# Altium PCB InsaneKeyboard.PcbDoc (part 3 of 3)
Units mil, origin at the board's own origin, x right, y up, seen from the top; angles counter-clockwise.
Board outline 7442.83 x 6333.68 mil, 4 copper layers (Top Layer, Int1 (GND), Int2 (GND), Bottom Layer), stack 60.6 mil thick; 241 components, 175 nets, 846 pads, 597 vias.
Unrouted connection lines stored in the file: 4.
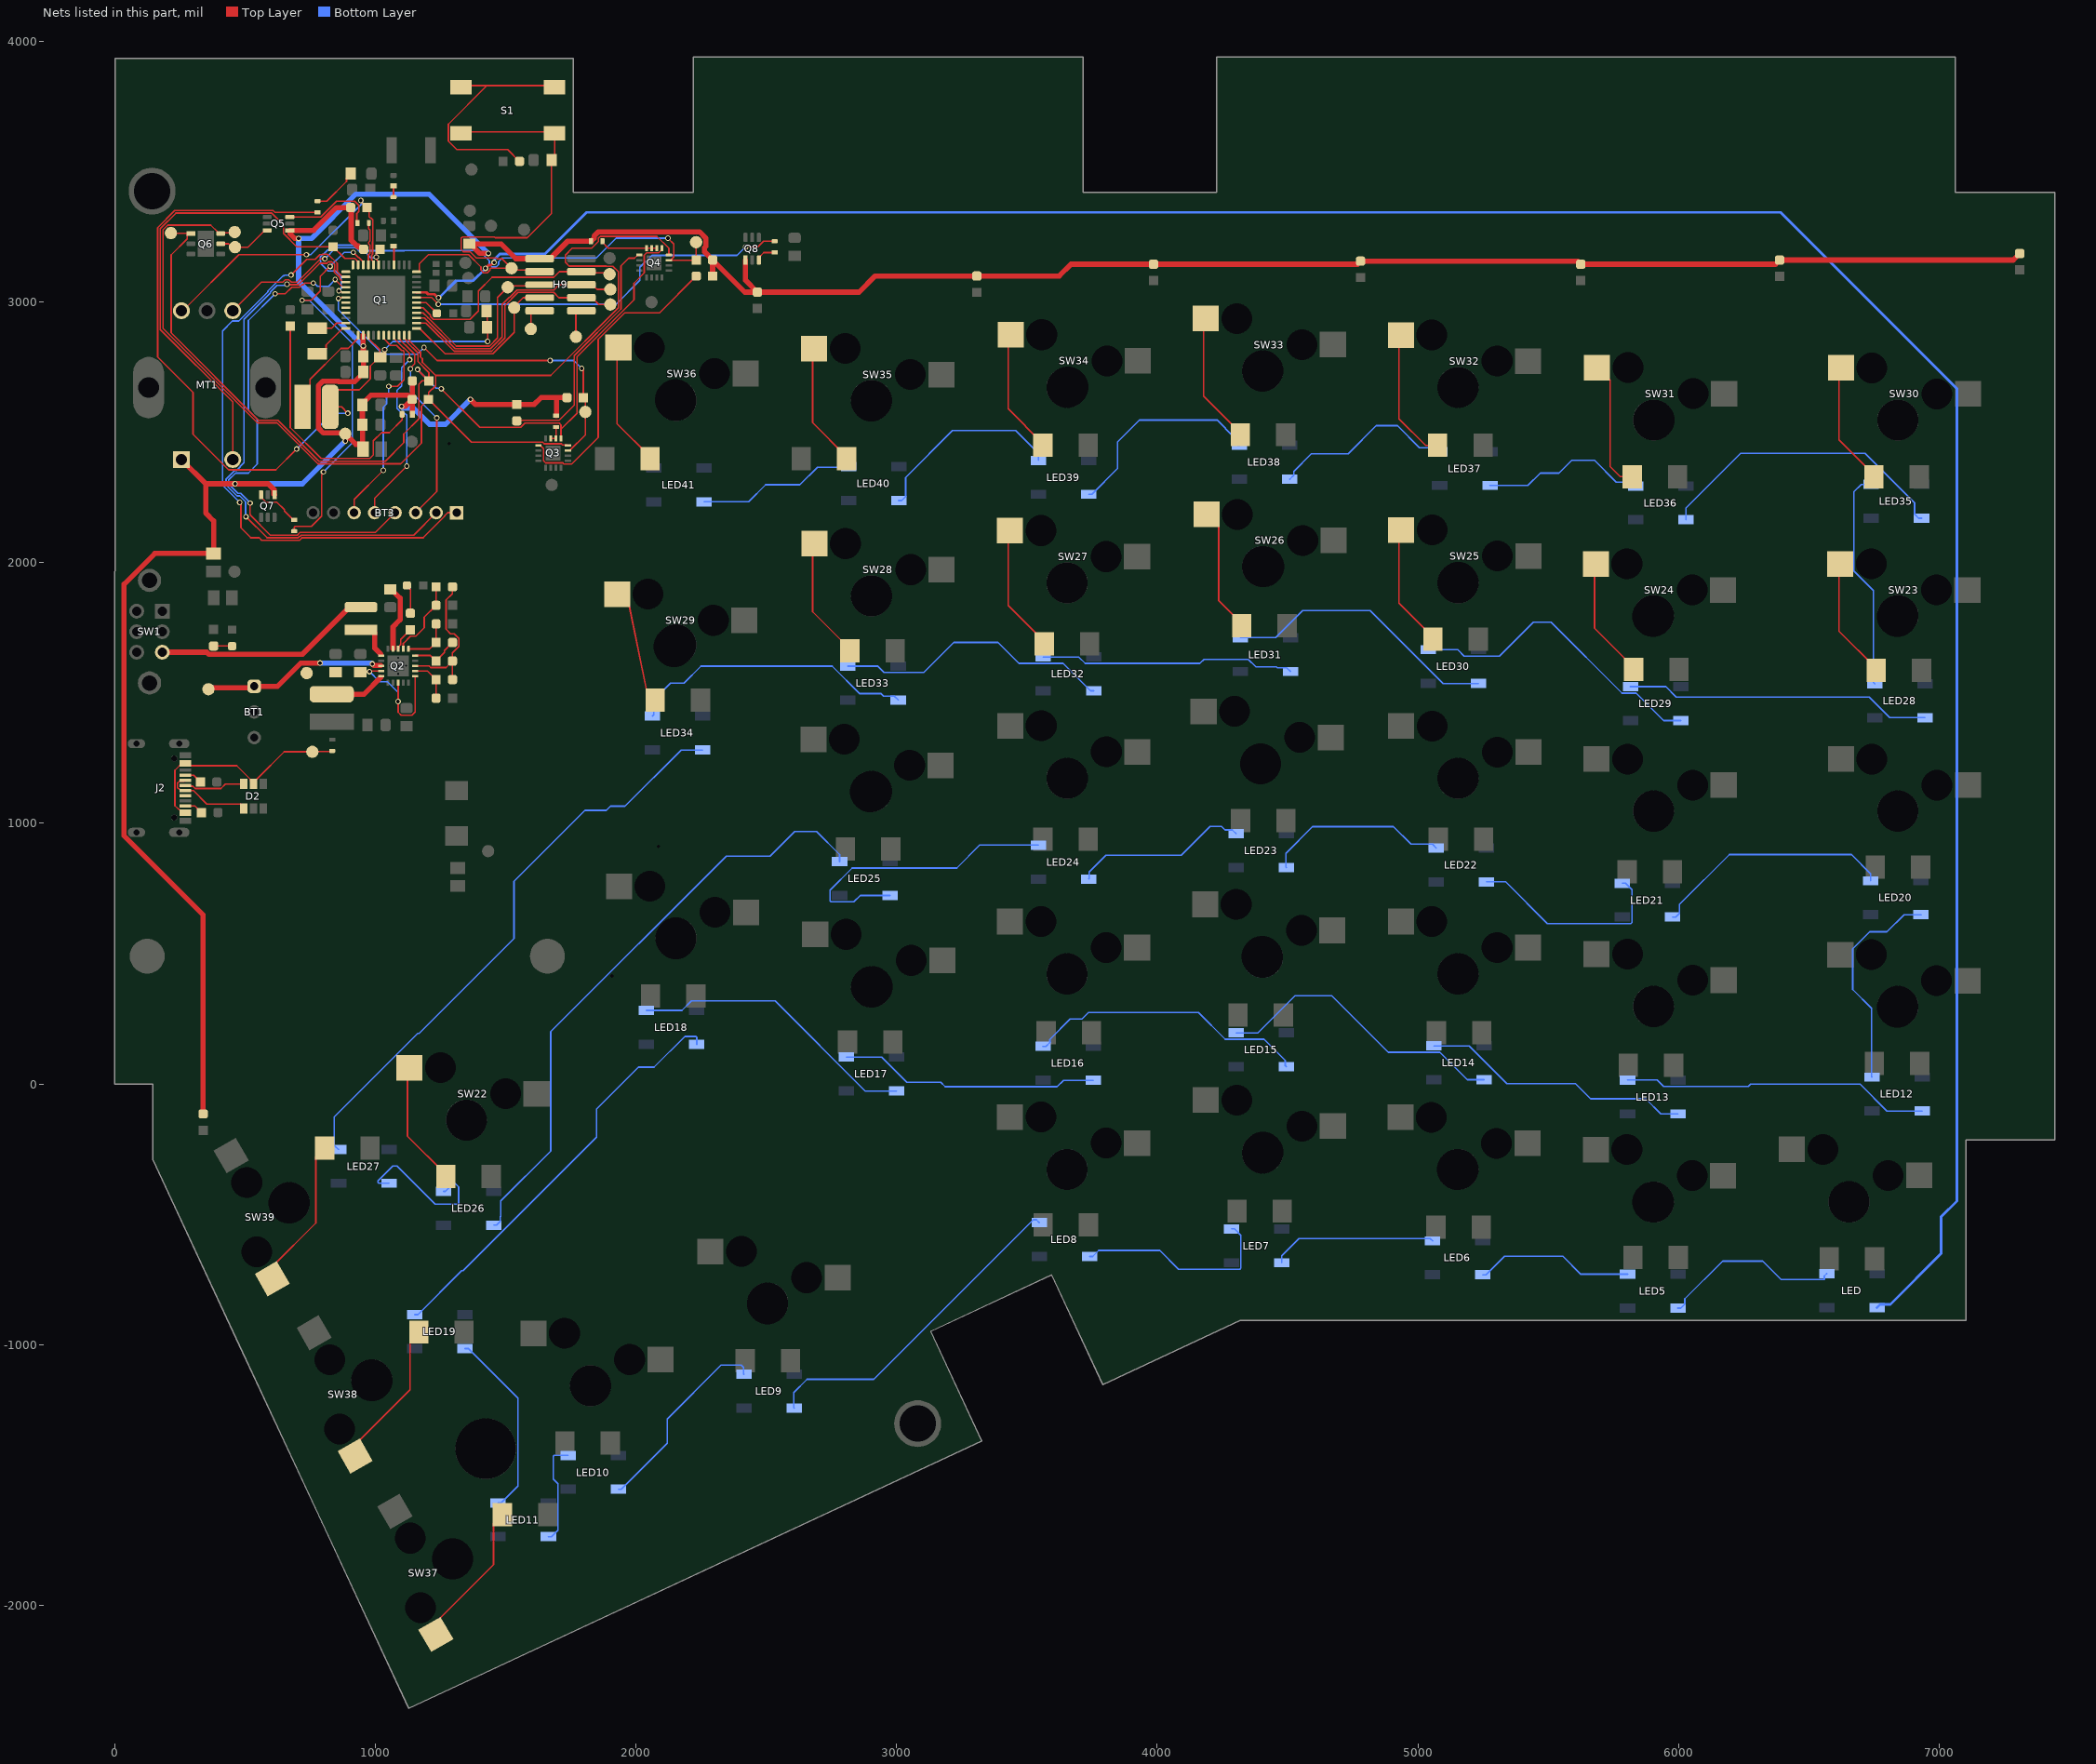
[diagram p5: the nets of this part, all layers, seen from the top]

## Via types
v1: diameter 21, hole 13, Top Layer to Bottom Layer, tented both sides, 410 vias
v2: diameter 21, hole 13, Top Layer to Bottom Layer, 116 vias
v3: diameter 0, hole 13, Int1 (GND) to Int2 (GND), 28 vias
v4: diameter 21, hole 13, Int2 (GND) to Bottom Layer, 22 vias
v5: diameter 19.68/19.68 (per signal layer), hole 7.87, Top Layer to Bottom Layer, tented both sides, 16 vias
v6: diameter 21, hole 13, Top Layer to Int1 (GND), 4 vias
v7: diameter 23, hole 13, Top Layer to Bottom Layer, tented both sides, 1 vias

## Nets (pads, with @x,y where several pads share a name; then routed paths per layer and width w, separated by ;. In a path a pad name is that pad's centre, name@x,y a point inside that pad or via, vN(x,y) a via of type N, cw(c..) or ccw(c..) an arc to the next point about the centre after c; other vN are vias at no path point) (continued)
NetD23_2: D23.2 SW22.1 | length 481.1
  Top Layer w6: SW22.1@1130.83,62.17 1123.75,55.1 1123.75,-200.25 1271,-347.5 D23.2@1271,-355
NetD24_2: D24.2 SW23.1 | length 469.4
  Top Layer w6: SW23.1@6620.06,1995 6615.49,1990.43 6615.49,1736.59 6758.05,1594.03 D24.2@6758.05,1586.53
NetD25_2: D25.2 SW24.1 | length 468.7
  Top Layer w6: SW24.1@5683.06,1995 5677.98,1989.92 5677.98,1748.09 5828.05,1598.03 D25.2@5828.05,1590.53
NetD26_2: D26.2 SW25.1 | length 475.7
  Top Layer w6: SW25.1@4936.06,2125 4927.98,2116.92 4927.98,1844.1 5058.05,1714.03 D26.2@5058.05,1706.53
NetD27_2: D27.2 SW26.1 | length 483.5
  Top Layer w6: SW26.1@4189.06,2185 4190.05,2185 4236.26,2138.79 4236.26,1853.24 4324,1765.5 D27.2@4324,1758
NetD28_2: D28.2 SW27.1 | length 494.9
  Top Layer w6: SW27.1@3435.04,2122.89 3427.97,2115.81 3427.97,1835.11 3567.05,1696.03 D28.2@3567.05,1688.53
NetD29_2: D29.2 SW28.1 | length 474.1
  Top Layer w6: SW28.1@2685.04,2072.89 2677.96,2065.81 2677.96,1811.54 2821,1668.5 D29.2@2821,1661
NetD30_2: D30.2 SW29.1 | length 444.1
  Top Layer w6: SW29.1@1927.96,1878.55 1975.15,1832.34 2040,1514.5 D30.2@2074,1473
NetD31_2: D31.2 SW30.1 | length 475.9
  Top Layer w6: SW30.1@6623.06,2747 6615.49,2739.43 6615.49,2470.59 6749.05,2337.03 D31.2@6749.05,2329.53
NetD32_2: D32.2 SW31.1 | length 501.9
  Top Layer w6: SW31.1@5687.06,2748 5688.05,2748 5737.26,2698.79 5737.26,2368.32 5776.05,2329.53 D32.2@5822.05,2329.53
NetD33_2: D33.2 SW32.1 | length 514.6
  Top Layer w6: SW32.1@4935.05,2872.89 4927.98,2865.82 4927.98,2551.6 5030.05,2449.53 D33.2@5076.05,2449.53
NetD34_2: D34.2 SW33.1 | length 507.3
  Top Layer w6: SW33.1@4186.06,2936 4177.97,2927.91 4177.97,2639.1 4319.05,2498.03 D34.2@4319.05,2490.53
NetD35_2: D35.2 SW34.1 | length 483.8
  Top Layer w6: SW34.1@3438.06,2874 3427.97,2863.9 3427.97,2590.11 3561.05,2457.03 D35.2@3561.05,2449.53
NetD36_2: D36.2 SW35.1 | length 478.4
  Top Layer w6: SW35.1@2684.06,2821 2677.96,2814.9 2677.96,2536.54 2808,2406.5 D36.2@2808,2399
NetD37_2: D37.2 SW36.1 | length 480.3
  Top Layer w6: SW36.1@1933.06,2825 1927.96,2819.89 1927.96,2532.54 2054,2406.5 D37.2@2054,2399
NetD38_2: D38.2 SW37.1 | length 565.7
  Top Layer w6: SW37.1@1232.47,-2111.86 1232.47,-2065.54 1454,-1844.01 1454,-1686 D38.2@1488,-1652
NetD39_2: D39.2 SW38.1 | length 576.6
  Top Layer w6: SW38.1@922.87,-1427.51 922.87,-1383.82 1133,-1173.69 1133,-986 D39.2@1167,-952
NetD40_2: D40.2 SW39.1 | length 584.3
  Top Layer w6: SW39.1@605,-747 605,-700.69 772,-533.69 772,-280 D40.2@806,-246
NetJ2_A5: J2.A5 R9.1 | length 69.4
  Top Layer w6: J2.A5@271,1184.37 303.28,1184.37 R9.1@329.5,1158.16
NetJ2_B5: J2.B5 R10.1 | length 72.9
  Top Layer w6: J2.B5@271,1066.26 308.39,1066.26 R10.1@333.5,1041.16
NetL1_1: L1.1 Q1.16 | length 72.8
  Top Layer w6: L1.1@1069.92,3214.31 1071.98,3212.26 Q1.16@1071.98,3142.34
NetL2_1: L2.1 R1.2 | length 43.7
  Top Layer w6: L2.1@1069.92,3445.31 1070,3445.23 R1.2@1070,3401.65
NetL5_1: L5.1 Q1.38 | length 379
  Top Layer w6: L5.1@721,2597 749.5,2625.5 749.5,2702.39 868.73,2821.62 895.75,2821.62 934.18,2860.05 Q1.38@934.18,2871.87
NetL6_2: L6.2 R5.1 | length 982.8
  Top Layer w6: R5.1@674,2907.5 674,2517.96 792.89,2399.06 979.09,2399.06 992.81,2412.79 992.81,2466.84 1024.35,2498.38 1054.29,2498.38 1103.32,2547.4 L6.2@1103.32,2569
NetL7_1: L7.1 Q2.16 | length 150.7
  Top Layer w20: L7.1@945,1742.39 988.31,1742.39 997.99,1732.7 997.99,1671.88 1021.23,1648.65
NetL8_2: L8.2 Q2.20 | length 214.8
  Top Layer w20: L8.2@833,1495.3 957.17,1495.3 1021.23,1559.35
NetLED1_A: LED1.A R8.2 | length 71.2
  Top Layer w6: R8.2@380,1680 380.25,1679.75 450.75,1679.75 LED1.A@451,1679.5
NetLED4_A: LED4.A R18.2 | length 112.1
  Top Layer w6: LED4.A@1121.5,1912 1121.5,1909.36 1135,1895.87 R18.2@1135,1805.5
NetLED5_2-DOUT: LED5.2-DOUT LED6.4-DIN | length 613.1
  Bottom Layer w6: LED6.4-DIN@5249.46,-731.96 5261.27,-731.96 5332.27,-660.96 5556.32,-660.96 5625.4,-730.04 LED5.2-DOUT@5804.54,-730.04
NetLED5_4-DIN: LED5.4-DIN LED.2-DOUT | length 703.8
  Bottom Layer w6: LED5.4-DIN@5997.46,-859.96 6009.27,-859.96 6023.98,-845.24 6023.98,-824.62 6168.98,-679.62 6322.79,-679.62 6393.21,-750.04 6559.54,-750.04 6559.54,-737.04 LED.2-DOUT@6568.54,-728.04
NetLED6_2-DOUT: LED6.2-DOUT LED7.4-DIN | length 637
  Bottom Layer w6: LED7.4-DIN@4477.46,-685.96 4477.46,-659.24 4543.74,-592.96 5047.46,-592.96 LED6.2-DOUT@5056.54,-602.04
NetLED7_2-DOUT: LED7.2-DOUT LED8.4-DIN | length 794.3
  Bottom Layer w6: LED8.4-DIN@3740.46,-661.96 3752.27,-661.96 3775.47,-638.76 4010.26,-638.76 4082.18,-710.68 4316.97,-710.68 4321.07,-706.58 4321.07,-580.76 4296.35,-556.04 LED7.2-DOUT@4284.54,-556.04
NetLED8_2-DOUT: LED8.2-DOUT LED9.4-DIN | length 1281.9
  Bottom Layer w6: LED9.4-DIN@2607.46,-1243.96 2605.46,-1241.96 2605.46,-1184.24 2656.74,-1132.96 2912.81,-1132.96 3524.73,-521.04 3536.54,-521.04 LED8.2-DOUT@3547.54,-532.04
NetLED9_2-DOUT: LED9.2-DOUT LED10.4-DIN | length 762.9
  Bottom Layer w6: LED10.4-DIN@1932.46,-1554.96 1944.27,-1554.96 2120.73,-1378.5 2120.73,-1285.04 2326.73,-1079.04 2404.26,-1079.04 2412.54,-1087.32 2412.54,-1112.04 LED9.2-DOUT@2414.54,-1114.04
NetLED10_2-DOUT: LED10.2-DOUT LED11.4-DIN | length 396.3
  Bottom Layer w6: LED11.4-DIN@1664.46,-1736.96 1676.27,-1736.96 1700.98,-1712.24 1700.98,-1533.98 1683.02,-1516.02 1683.02,-1428.25 1686.53,-1424.74 1739.24,-1424.74 LED10.2-DOUT@1739.54,-1425.04
NetLED11_2-DOUT: LED11.2-DOUT LED19.4-DIN | length 721.3
  Bottom Layer w6: LED19.4-DIN@1344.46,-1014.96 1356.27,-1014.96 1547.22,-1205.91 1547.22,-1543.17 1483.35,-1607.04 LED11.2-DOUT@1471.54,-1607.04
NetLED12_2-DOUT: LED12.2-DOUT LED20.4-DIN | length 839.4
  Bottom Layer w6: LED12.2-DOUT@6742.54,25.96 6740.54,27.96 6740.54,289.95 6668.37,362.13 6668.37,518.4 6733.69,583.72 6799.94,583.72 6865.26,649.04 LED20.4-DIN@6930.46,649.04
NetLED12_4-DIN: LED12.4-DIN LED13.2-DOUT | length 1187.5
  Bottom Layer w6: LED13.2-DOUT@5804.54,14.96 5918.12,14.96 5942.84,-9.76 6267.71,-9.76 6276.51,-0.96 6696.69,-0.96 6799.69,-103.96 LED12.4-DIN@6935.46,-103.96
NetLED13_4-DIN: LED13.4-DIN LED14.2-DOUT | length 1044
  Bottom Layer w6: LED14.2-DOUT@5061.54,145.96 5197.31,145.96 5341.95,1.32 5604.73,1.32 5662.87,-56.82 5874.12,-56.82 5932.26,-114.96 LED13.4-DIN@5997.46,-114.96
NetLED14_4-DIN: LED14.4-DIN LED15.2-DOUT | length 1144.5
  Bottom Layer w6: LED15.2-DOUT@4302.54,195.96 4385.89,195.96 4528.43,338.5 4669.45,338.5 4886.7,121.24 5084.06,121.24 5189.26,16.04 LED14.4-DIN@5254.46,16.04
NetLED15_4-DIN: LED15.4-DIN LED16.2-DOUT | length 1092.1
  Bottom Layer w6: LED16.2-DOUT@3561.54,143.96 3573.35,143.96 3588.07,158.68 3588.07,170.68 3666.35,248.96 3711.31,248.96 3736.03,273.68 4158.76,273.68 4261.2,171.24 4409.74,171.24 4491.46,89.52 4491.46,70.04 LED15.4-DIN@4495.46,66.04
NetLED16_4-DIN: LED16.4-DIN LED17.2-DOUT | length 1004.2
  Bottom Layer w6: LED17.2-DOUT@2807.54,102.96 2943.31,102.96 3039.95,6.32 3169.56,6.32 3186.56,-10.68 3616.16,-10.68 3640.88,14.04 LED16.4-DIN@3754.46,14.04
NetLED17_4-DIN: LED17.4-DIN LED18.2-DOUT | length 1118.1
  Bottom Layer w6: LED18.2-DOUT@2040.54,281.96 2176.31,281.96 2212.85,318.5 2534.25,318.5 2879.71,-26.96 LED17.4-DIN@3000.46,-26.96
NetLED18_4-DIN: LED18.4-DIN LED19.2-DOUT | length 1615.4
  Bottom Layer w6: LED19.2-DOUT@1151.54,-885.04 1163.35,-885.04 1331.94,-716.45 1337.11,-716.45 1849.5,-204.06 1849.5,-96.11 2009.86,64.25 2069.67,64.25 2187.69,182.27 2229.94,182.27 2233.46,178.76 LED18.4-DIN@2233.46,152.04
NetLED20_2-DOUT: LED20.2-DOUT LED21.4-DIN | length 936.9
  Bottom Layer w6: LED21.4-DIN@5977.46,640.04 5989.27,640.04 6003.98,654.76 6003.98,688.73 6195.21,879.96 6663.26,879.96 6737.54,805.68 LED20.2-DOUT@6737.54,778.96
NetLED21_2-DOUT: LED21.2-DOUT LED22.4-DIN | length 798.1
  Bottom Layer w6: LED22.4-DIN@5263.46,775.04 5337.27,775.04 5496.98,615.32 5816.97,615.32 5821.07,619.42 5821.07,745.24 5796.35,769.96 LED21.2-DOUT@5784.54,769.96
NetLED22_2-DOUT: LED22.2-DOUT LED23.4-DIN | length 708.9
  Bottom Layer w6: LED23.4-DIN@4495.46,830.04 4493.46,832.04 4493.46,884.76 4595.66,986.96 4906.59,986.96 4973.88,919.68 5055.83,919.68 LED22.2-DOUT@5070.54,904.96
NetLED23_2-DOUT: LED23.2-DOUT LED24.4-DIN | length 675.1
  Bottom Layer w6: LED24.4-DIN@3737.46,786.04 3738.91,787.5 3738.91,812.76 3803.24,877.08 4091.85,877.08 4202.73,987.96 4246.5,987.96 4259.78,974.68 4287.83,974.68 LED23.2-DOUT@4302.54,959.96
NetLED24_2-DOUT: LED24.2-DOUT LED25.4-DIN | length 1153.5
  Bottom Layer w6: LED25.4-DIN@2974.46,723.04 2860.88,723.04 2836.16,698.32 2749.12,698.32 2745.02,702.42 2745.02,743.66 2829.6,828.24 3230.99,828.24 3318.71,915.96 LED24.2-DOUT@3544.54,915.96
NetLED25_2-DOUT: LED25.2-DOUT LED26.4-DIN | length 2328.8
  Bottom Layer w6: LED26.4-DIN@1454.46,-541.96 1465.35,-541.96 1480.07,-527.24 1480.07,-509.16 1481.98,-507.24 1481.98,-449.24 1673.5,-257.73 1673.5,200.38 2346.62,873.5 2514.25,873.5 2608.81,968.07 2693.16,968.07 2781.54,879.68 LED25.2-DOUT@2781.54,852.96
NetLED26_2-DOUT: LED26.2-DOUT LED27.4-DIN | length 597.2
  Bottom Layer w6: LED27.4-DIN@1052.46,-380.96 1013.93,-380.96 1010.41,-377.45 1010.41,-372.48 1067.93,-314.96 1083.62,-314.96 1230.34,-461.68 1316.82,-461.68 1320.33,-458.16 1320.33,-396.3 1301.07,-377.04 1300.79,-377.32 1287.57,-377.32 1284.05,-380.84 1284.05,-397.32 1269.33,-412.04 LED26.2-DOUT@1261.54,-412.04
NetLED27_2-DOUT: LED27.2-DOUT LED34.4-DIN | length 2257.5
  Bottom Layer w6: LED27.2-DOUT@859.54,-251.04 857.79,-251.04 843.07,-236.32 843.07,-126.32 1163.11,193.71 1168.46,193.71 1532.5,557.75 1532.5,777.25 1804.68,1049.43 1886.5,1049.43 1902.6,1065.53 1958.51,1065.53 2174.02,1281.04 LED34.4-DIN@2256.46,1281.04
  other v3: 1908,414 2086,911
NetLED28_2-DOUT: LED28.2-DOUT LED35.4-DIN | length 848.1
  Bottom Layer w6: LED35.4-DIN@6739.54,2299.96 6701.02,2299.96 6672.94,2271.89 6672.94,1967.64 6747.54,1893.04 6747.54,1539.96 LED28.2-DOUT@6752.54,1534.96
NetLED28_4-DIN: LED28.4-DIN LED29.2-DOUT | length 1179.2
  Bottom Layer w6: LED29.2-DOUT@5815.54,1523.96 5951.31,1523.96 5991.57,1483.7 6731.03,1483.7 6809.69,1405.04 LED28.4-DIN@6945.46,1405.04
NetLED29_4-DIN: LED29.4-DIN LED30.2-DOUT | length 1189.5
  Bottom Layer w6: LED30.2-DOUT@5039.54,1665.96 5153.12,1665.96 5177.84,1641.24 5313.28,1641.24 5443.54,1771.5 5510.86,1771.5 5783.12,1499.24 5838.06,1499.24 5943.26,1394.04 LED29.4-DIN@6008.46,1394.04
NetLED30_4-DIN: LED30.4-DIN LED31.2-DOUT | length 1072.6
  Bottom Layer w6: LED31.2-DOUT@4318.54,1711.96 4454.31,1711.96 4557.85,1815.5 4817.23,1815.5 5096.69,1536.04 LED30.4-DIN@5232.46,1536.04
NetLED31_4-DIN: LED31.4-DIN LED32.2-DOUT | length 984.6
  Bottom Layer w6: LED32.2-DOUT@3563.09,1638 3698.86,1638 3723.57,1613.28 4163.43,1613.28 4179.21,1629.07 4349.66,1629.07 4378.69,1600.04 4457.39,1600.04 4460.68,1596.76 4496.74,1596.76 LED31.4-DIN@4511.46,1582.04
NetLED32_4-DIN: LED32.4-DIN LED33.2-DOUT | length 1077.2
  Bottom Layer w6: LED33.2-DOUT@2813.54,1602.96 2927.12,1602.96 2951.84,1578.24 3104.63,1578.24 3219.89,1693.5 3389.33,1693.5 3469.54,1613.28 3638.98,1613.28 3744.19,1508.08 LED32.4-DIN@3756,1508.08
NetLED33_4-DIN: LED33.4-DIN LED34.2-DOUT | length 1109.3
  Bottom Layer w6: LED34.2-DOUT@2063.54,1410.96 2068.54,1415.96 2068.54,1472.68 2132.98,1537.11 2184.32,1537.11 2249.97,1602.76 2752.97,1602.76 2858.69,1497.04 2941.05,1497.04 2950.34,1487.76 2991.74,1487.76 LED33.4-DIN@3006.46,1473.04
NetLED35_2-DOUT: LED35.2-DOUT LED36.4-DIN | length 1164.1
  Bottom Layer w6: LED36.4-DIN@6028.46,2164.04 6028.46,2209.21 6237.93,2418.68 6714.97,2418.68 6905.93,2227.72 6905.93,2184.76 6920.65,2170.04 LED35.2-DOUT@6932.46,2170.04
NetLED36_2-DOUT: LED36.2-DOUT LED37.4-DIN | length 639.4
  Bottom Layer w6: LED37.4-DIN@5276.46,2296.04 5422.1,2296.04 5469.56,2343.5 5541.68,2343.5 5590.14,2391.96 5677.88,2391.96 5761.17,2308.68 5820.83,2308.68 LED36.2-DOUT@5835.54,2293.96
NetLED37_2-DOUT: LED37.2-DOUT LED38.4-DIN | length 709.8
  Bottom Layer w6: LED38.4-DIN@4508.46,2320.04 4509.27,2320.04 4523.98,2334.76 4523.98,2349.76 4591.27,2417.04 4732.54,2417.04 4840.46,2524.96 4921.94,2524.96 5006.22,2440.68 5068.83,2440.68 LED37.2-DOUT@5083.54,2425.96
NetLED38_2-DOUT: LED38.2-DOUT LED39.4-DIN | length 805.8
  Bottom Layer w6: LED39.4-DIN@3737.46,2262.04 3749.27,2262.04 3848.24,2361.01 3848.24,2462.7 3932.5,2546.96 4229.26,2546.96 4294.54,2481.68 4294.54,2464.68 4309.26,2449.96 LED38.2-DOUT@4315.54,2449.96
NetLED39_2-DOUT: LED39.2-DOUT LED40.4-DIN | length 752.9
  Bottom Layer w6: LED40.4-DIN@3008.46,2238.04 3020.27,2238.04 3034.98,2252.76 3034.98,2326.14 3214.8,2505.96 3457.26,2505.96 3544.54,2418.68 LED39.2-DOUT@3544.54,2391.96
NetLED40_2-DOUT: LED40.2-DOUT LED41.4-DIN | length 610
  Bottom Layer w6: LED41.4-DIN@2261.46,2233.04 2432.15,2233.04 2497.61,2298.5 2629.27,2298.5 2696.73,2365.96 2813.54,2365.96 LED40.2-DOUT@2815.54,2367.96
NetQ2_7: Q2.7 R11.1 R15.2 | length 165.4
  Top Layer w6: Q2.7@1152.96,1584.31 1200.17,1584.31 R11.1@1233.4,1551.08 R15.2@1233.4,1479.91
NetQ2_8: Q2.8 R2.2 R11.2 R12.2 | length 561.5
  Top Layer w6: Q2.8@1152.96,1604 1206.31,1604 1212.79,1597.53 1271.68,1597.53 R12.2@1296.39,1622.25 ; R11.2@1296.39,1551.08 R12.2@1296.39,1622.25 ; R2.2@1296.39,1906.91 1295.51,1906.03 1295.51,1880.19 1271.68,1856.36 1271.68,1743.96 1289.24,1726.4 1303.55,1726.4 1321.11,1708.84 1321.11,1677.98 1296.39,1653.27 R12.2@1296.39,1622.25
NetQ2_10: Q2.10 R12.1 R14.2 | length 186.5
  Top Layer w6: Q2.10@1152.96,1643.37 1212.28,1643.37 R12.1@1233.4,1622.25 1265.91,1654.76 1265.91,1662.93 R14.2@1296.39,1693.41
NetQ2_11: Q2.11 R14.1 R17.2 | length 187.3
  Top Layer w6: Q2.11@1127.37,1668.96 1208.95,1668.96 R14.1@1233.4,1693.41 R17.2@1233.4,1764.58
NetQ2_12: Q2.12 R2.1 R7.2 | length 301.7
  Top Layer w6: Q2.12@1107.68,1668.96 1107.68,1689.77 1135.7,1717.79 1155.62,1717.79 1188.17,1750.34 1188.17,1790.51 R7.2@1233.4,1835.74 R2.1@1233.4,1906.91
NetQ3_1: Q3.1 R34.2 | length 1180.8
  Top Layer w6: Q3.1@1626.5,2449.53 1633.2,2449.53 1645.31,2437.41 1645.31,2390.7 1653.7,2382.31 1719.8,2382.31 1723.76,2378.35 1753.46,2378.35 1855.29,2480.19 1855.29,2856.54 1957.13,2958.38 2090.88,2958.38 R34.2@2231.5,3099
NetQ3_14: Q3.14 Q3.15 R27.2 | length 63.7
  Top Layer w6: Q3.15@1673.16,2476.5 Q3.14@1692.84,2476.5 1693.42,2477.08 1693.42,2519.42 R27.2@1694,2520
NetQ4_1: Q4.1 R35.2 | length 942.4
  Top Layer w6: R35.2@1543,2543.5 1544.83,2545.34 1705.61,2545.34 1763.78,2603.5 1763.78,2794.33 1942.62,2973.17 1942.62,3138.12 1971.97,3167.47 1994.75,3167.47 2006.81,3179.53 Q4.1@2013.5,3179.53
NetQ4_14: Q4.14 Q4.15 Q4.16 R28.2 | length 221.5
  Top Layer w6: R28.2@1871.65,3233 1871.65,3229.06 1894.22,3206.5 Q4.14@2079.84,3206.5
NetQ5_3: Q5.3 R29.1 | length 370.8
  Top Layer w6: Q5.3@672.31,3325.59 790.83,3325.59 851.95,3386.72 921.15,3386.72 937.22,3370.65 937.22,3346.57 929.35,3338.7 929.35,3303 R29.1@932.35,3303
NetQ7_3: Q7.3 R333.1 | length 175.4
  Top Layer w6: Q7.3@562.41,2260.31 562.41,2250.46 581.28,2231.59 622.25,2231.59 651.22,2202.62 651.22,2197.5 685.06,2163.65 R333.1@689,2163.65
NetQ8_3: Q8.3 R37.1 | length 78
  Top Layer w6: Q8.3@2471.59,3160.69 2471.59,3170.54 2490.4,3189.35 R37.1@2532,3189.35
NetR6_2: R6.2 S1.1 S1.2 | length 942.9
  Top Layer w6: S1.2@1328.87,3823.58 1334.87,3829.58 1428.23,3829.58 ; R6.2@1553.5,3539 1508.67,3583.82 1312.66,3583.82 1280.53,3615.96 1280.53,3681.88 1428.23,3829.58 ; S1.1@1687.13,3823.58 1681.13,3829.58 1428.23,3829.58
PAVDD: L4.1 R4.2 | length 178.8
  Top Layer w6: R4.2@779,3386.65 814.22,3386.65 889.94,3462.38 889.94,3475.31 L4.1@906.63,3492
PTI_DATA: H9.10 TP12.1 | length 114.5
  Top Layer w6: TP12.1@1770,2866 1770,2954.82 1781.18,2966 H9.10@1791,2966
PTI_FRAME: H9.9 TP8.1 | length 97.5
  Top Layer w6: TP8.1@1597,2896 1597,2954.82 1608.18,2966 H9.9@1631,2966
RADIO_PA0: Q1.25
RADIO_PA1: BT3.1 Q1.26 | length 2329.5
  Top Layer w6: v2(480,2231) 485,2226 485,2133 522.53,2095.47 554.39,2095.47 564.39,2085.47 709.69,2085.47 719.69,2095.47 1184.29,2095.47 1266.6,2177.78 1266.6,2180.1 1277.84,2191.35 BT3.1@1312.59,2191.35 ; v4(677,3103) 737.5,3163.5 769.4,3163.5 787.4,3181.5 798.25,3181.5 799.5,3182.75 814,3182.75 815.25,3181.5 820.5,3181.5 854,3148 854,3147.89 854.5,3147.39 854.5,3124.61 854,3124.11 854,3117.4 875.72,3095.68 Q1.26@887.53,3095.68